# Altium PCB CGRA_Board_3.PcbDoc (part 1 of 7)
Units mil, origin at the board's own origin, x right, y up, seen from the top; angles counter-clockwise.
Board outline 10143 x 5538 mil, 10 copper layers (Top Layer, GND, Int2 (Sign), 1V8, Int4 (Sign), Int5 (Sign), 0V8_OUT, Int7 (Sign), GND (Plane4), Bottom Layer), stack 59.156 mil thick; 266 components, 396 nets, 2084 pads, 2900 vias.
Unrouted connection lines stored in the file: 464.
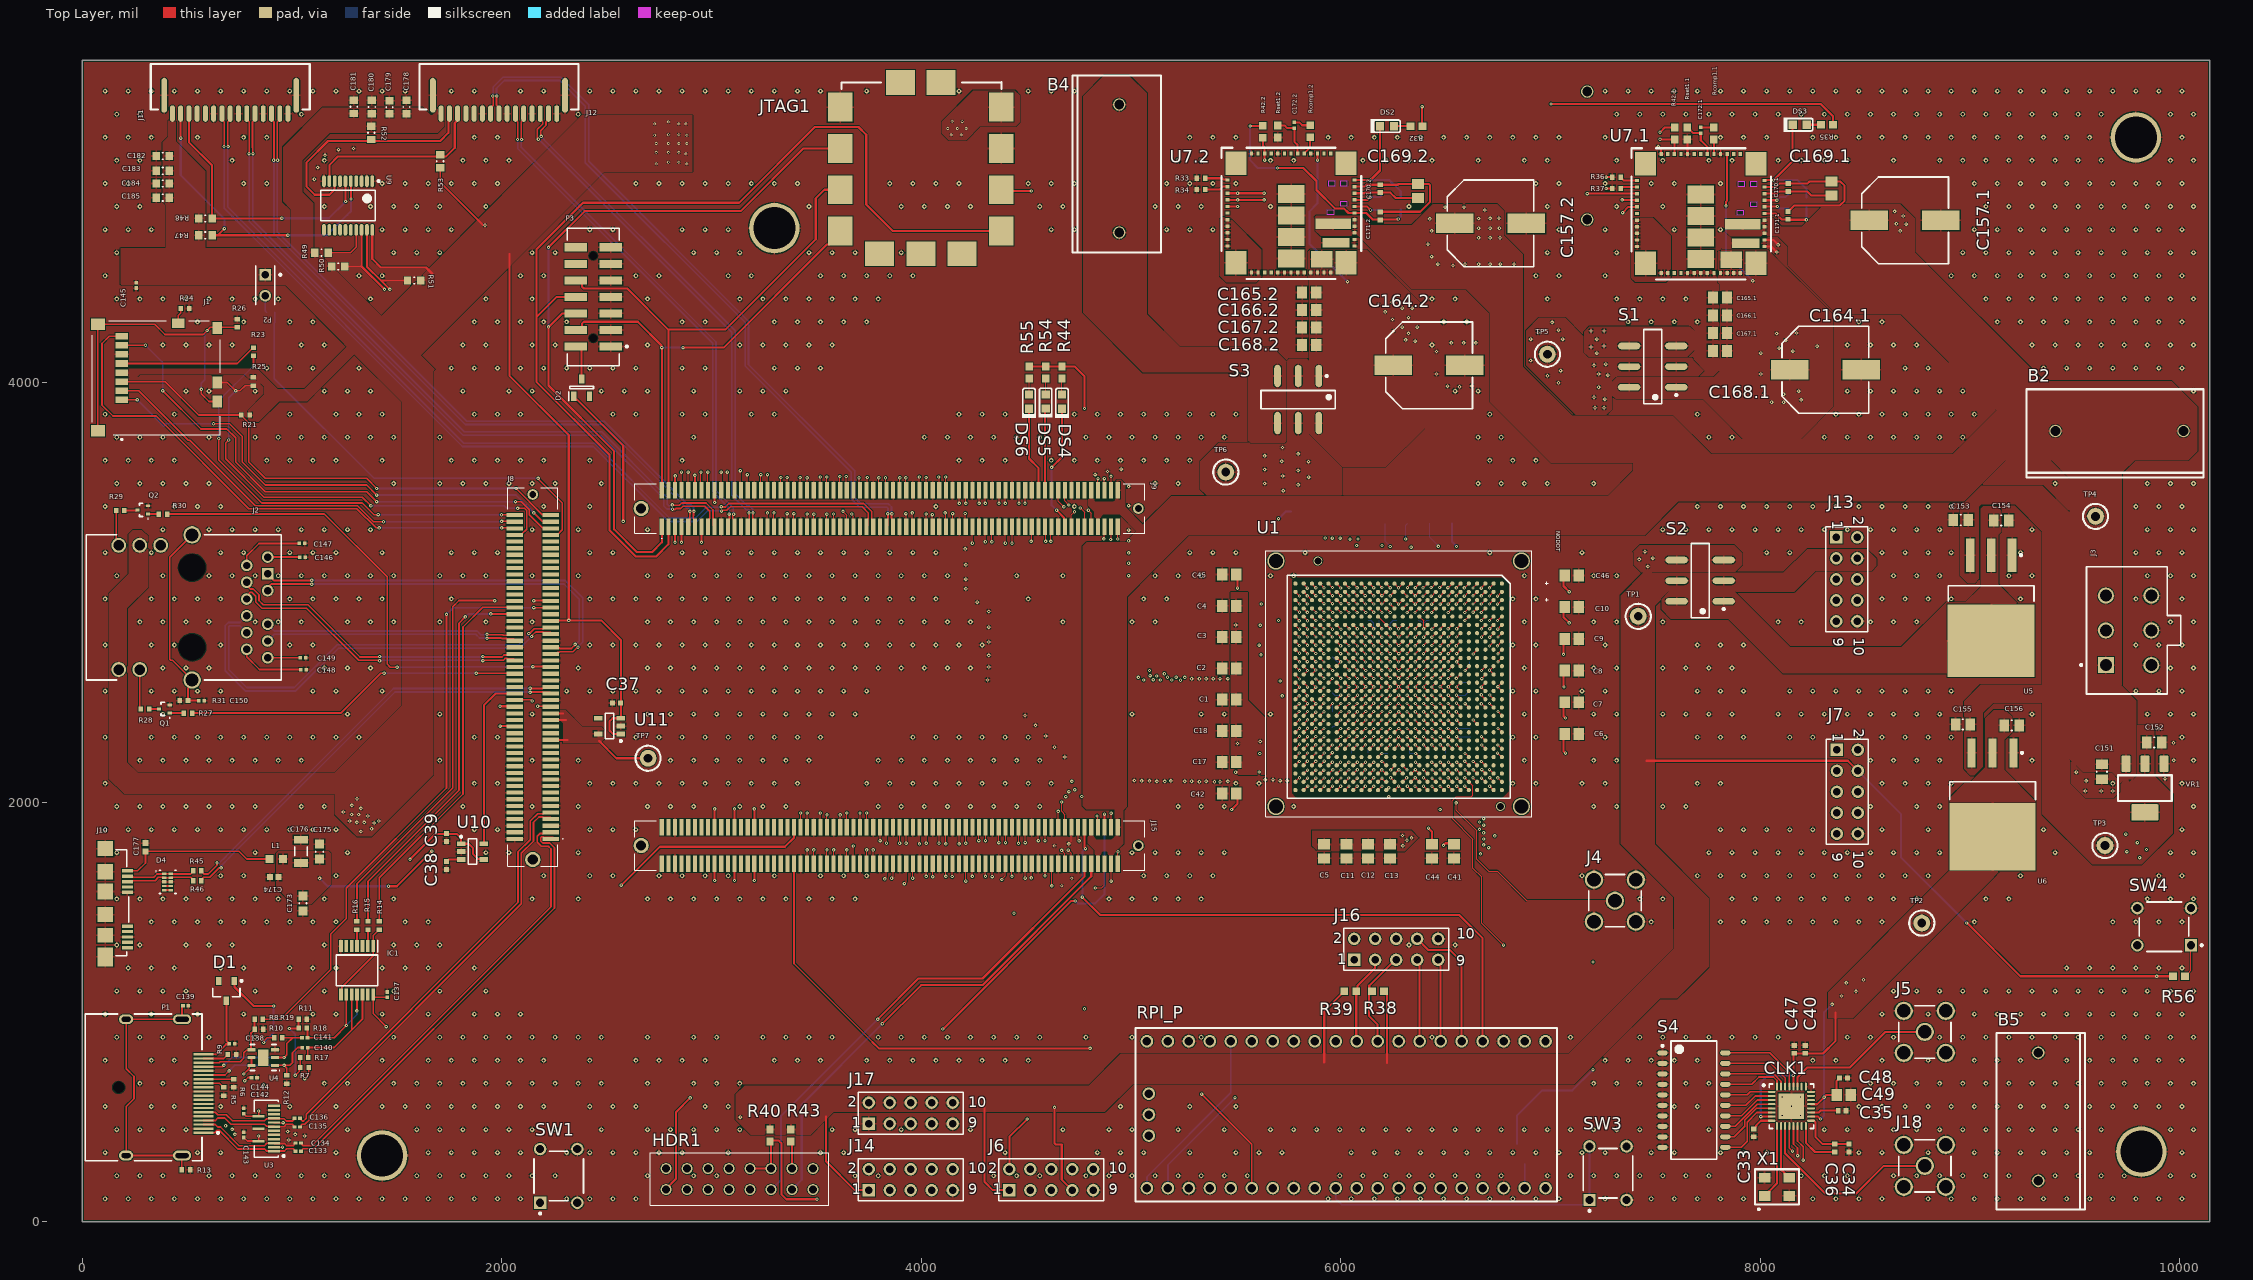
[diagram p0: Top Layer view]
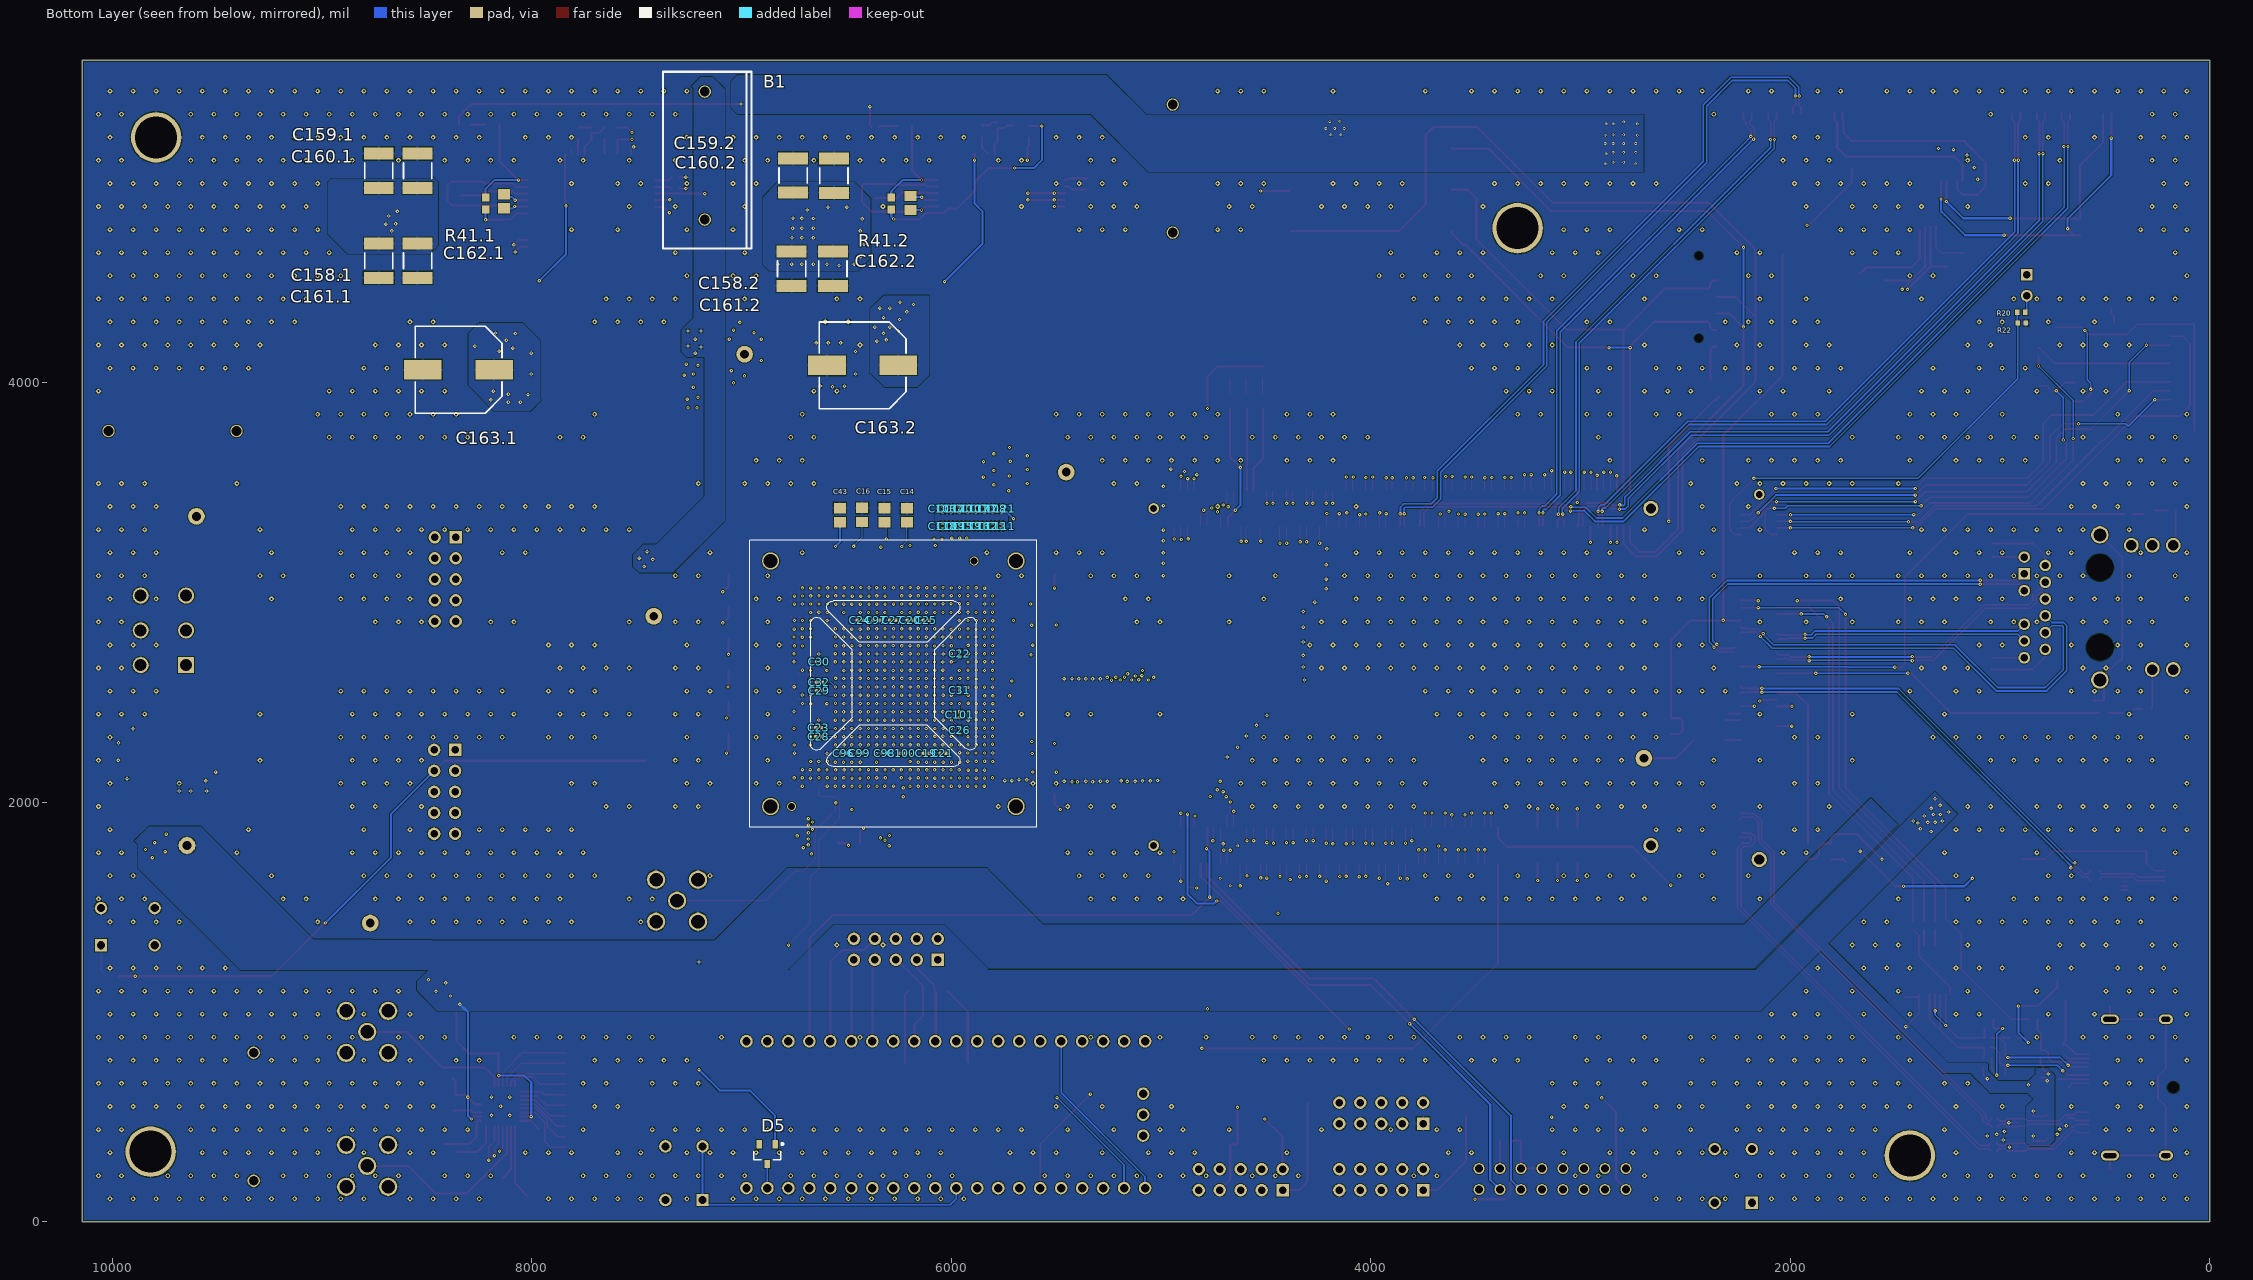
[diagram p1: Bottom Layer view, seen from below]
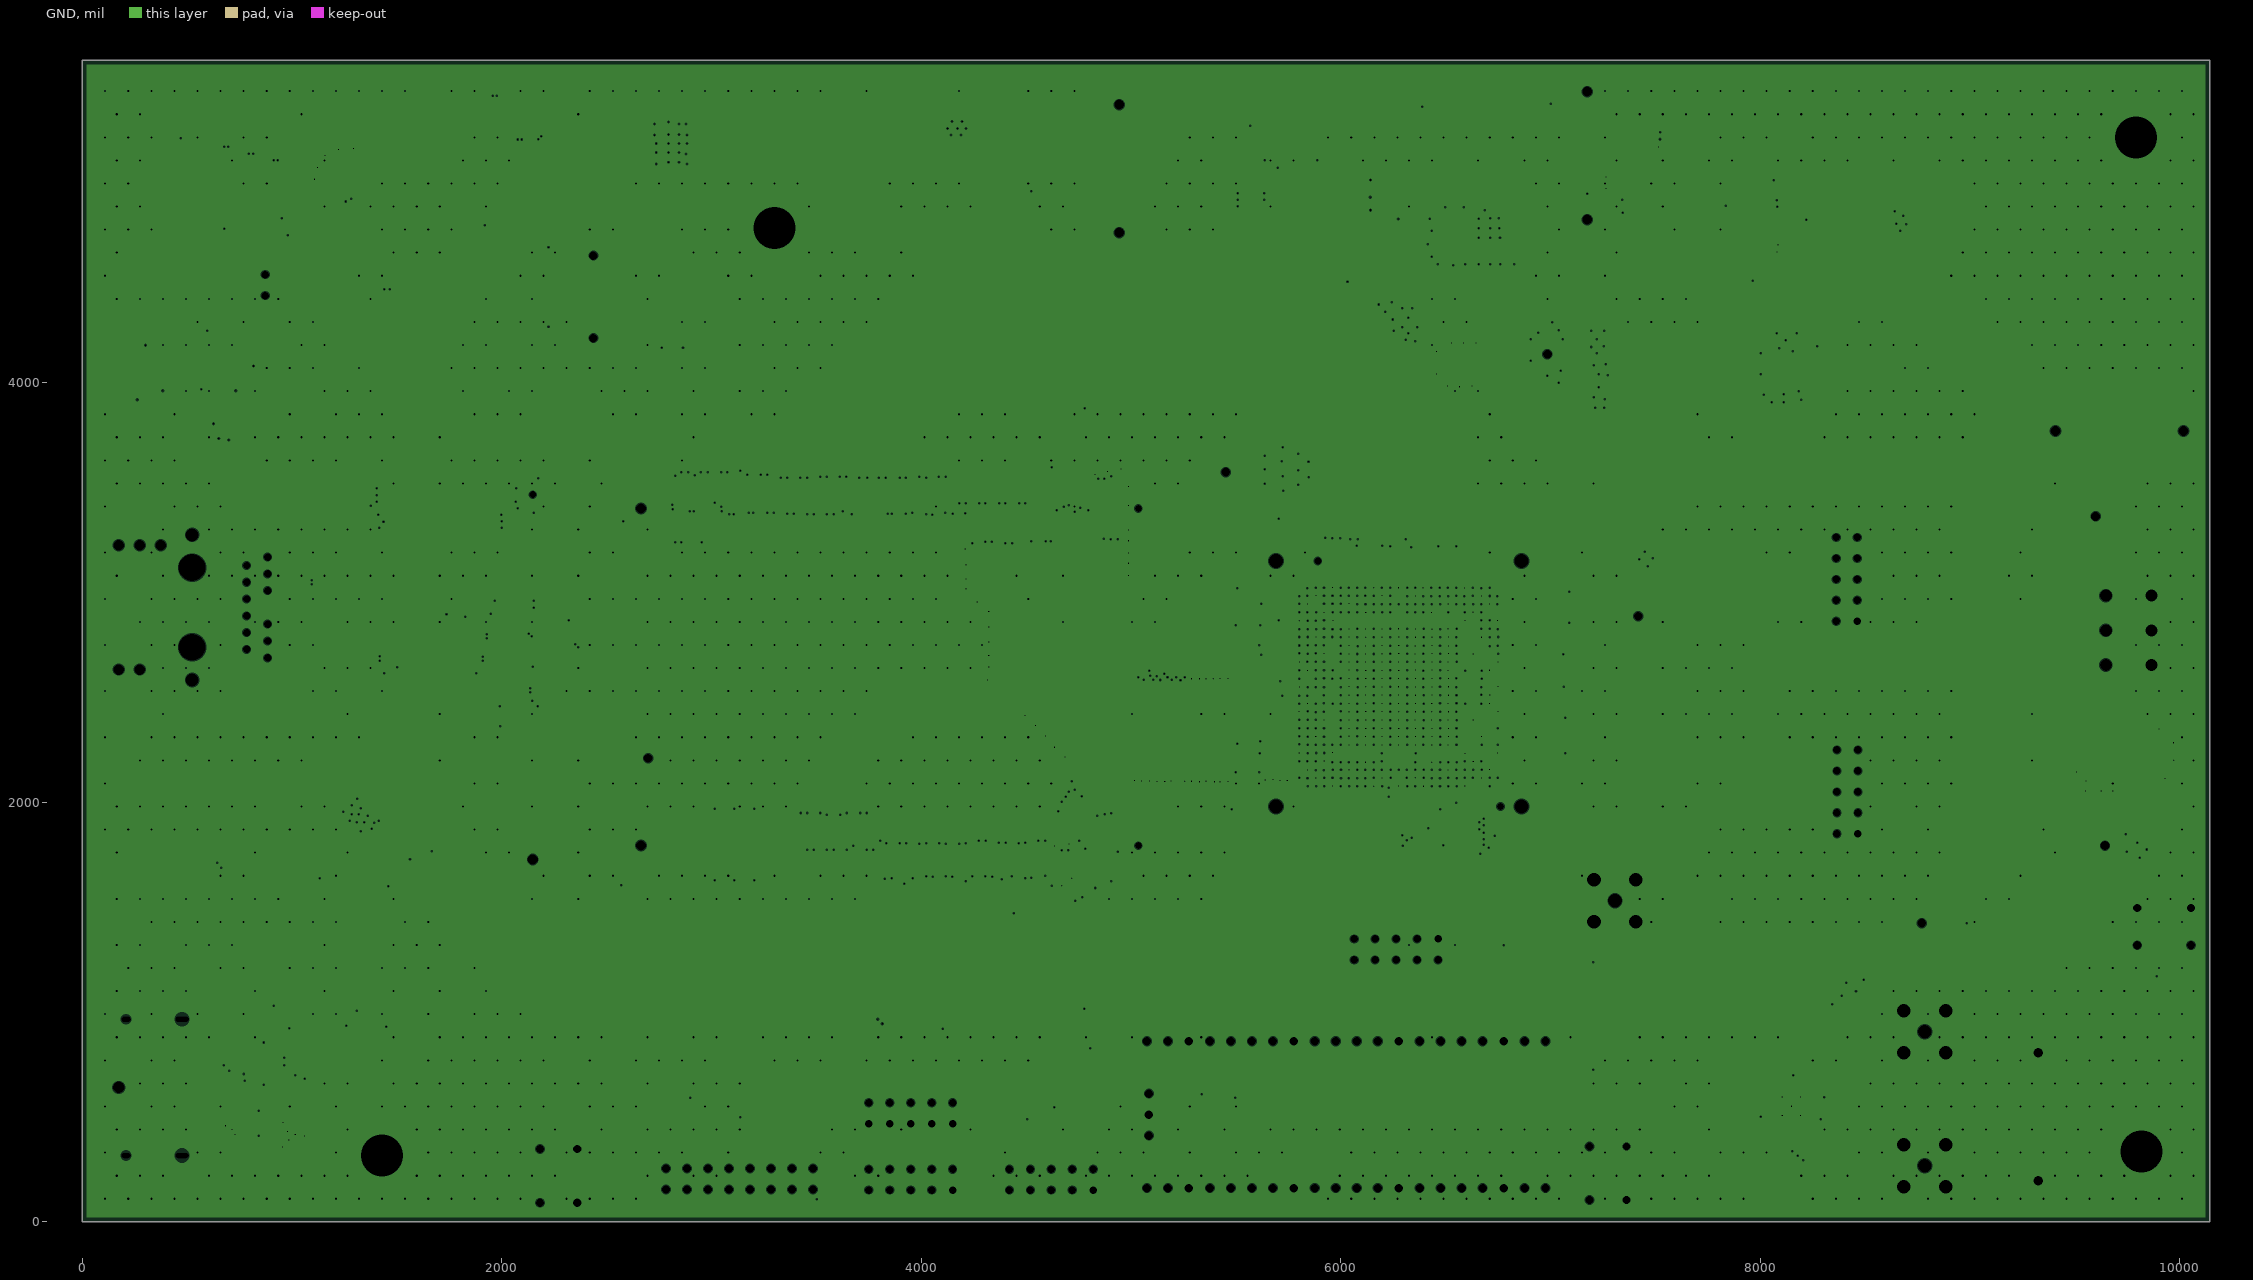
[diagram p2: GND, clearances drawn from the general rule]
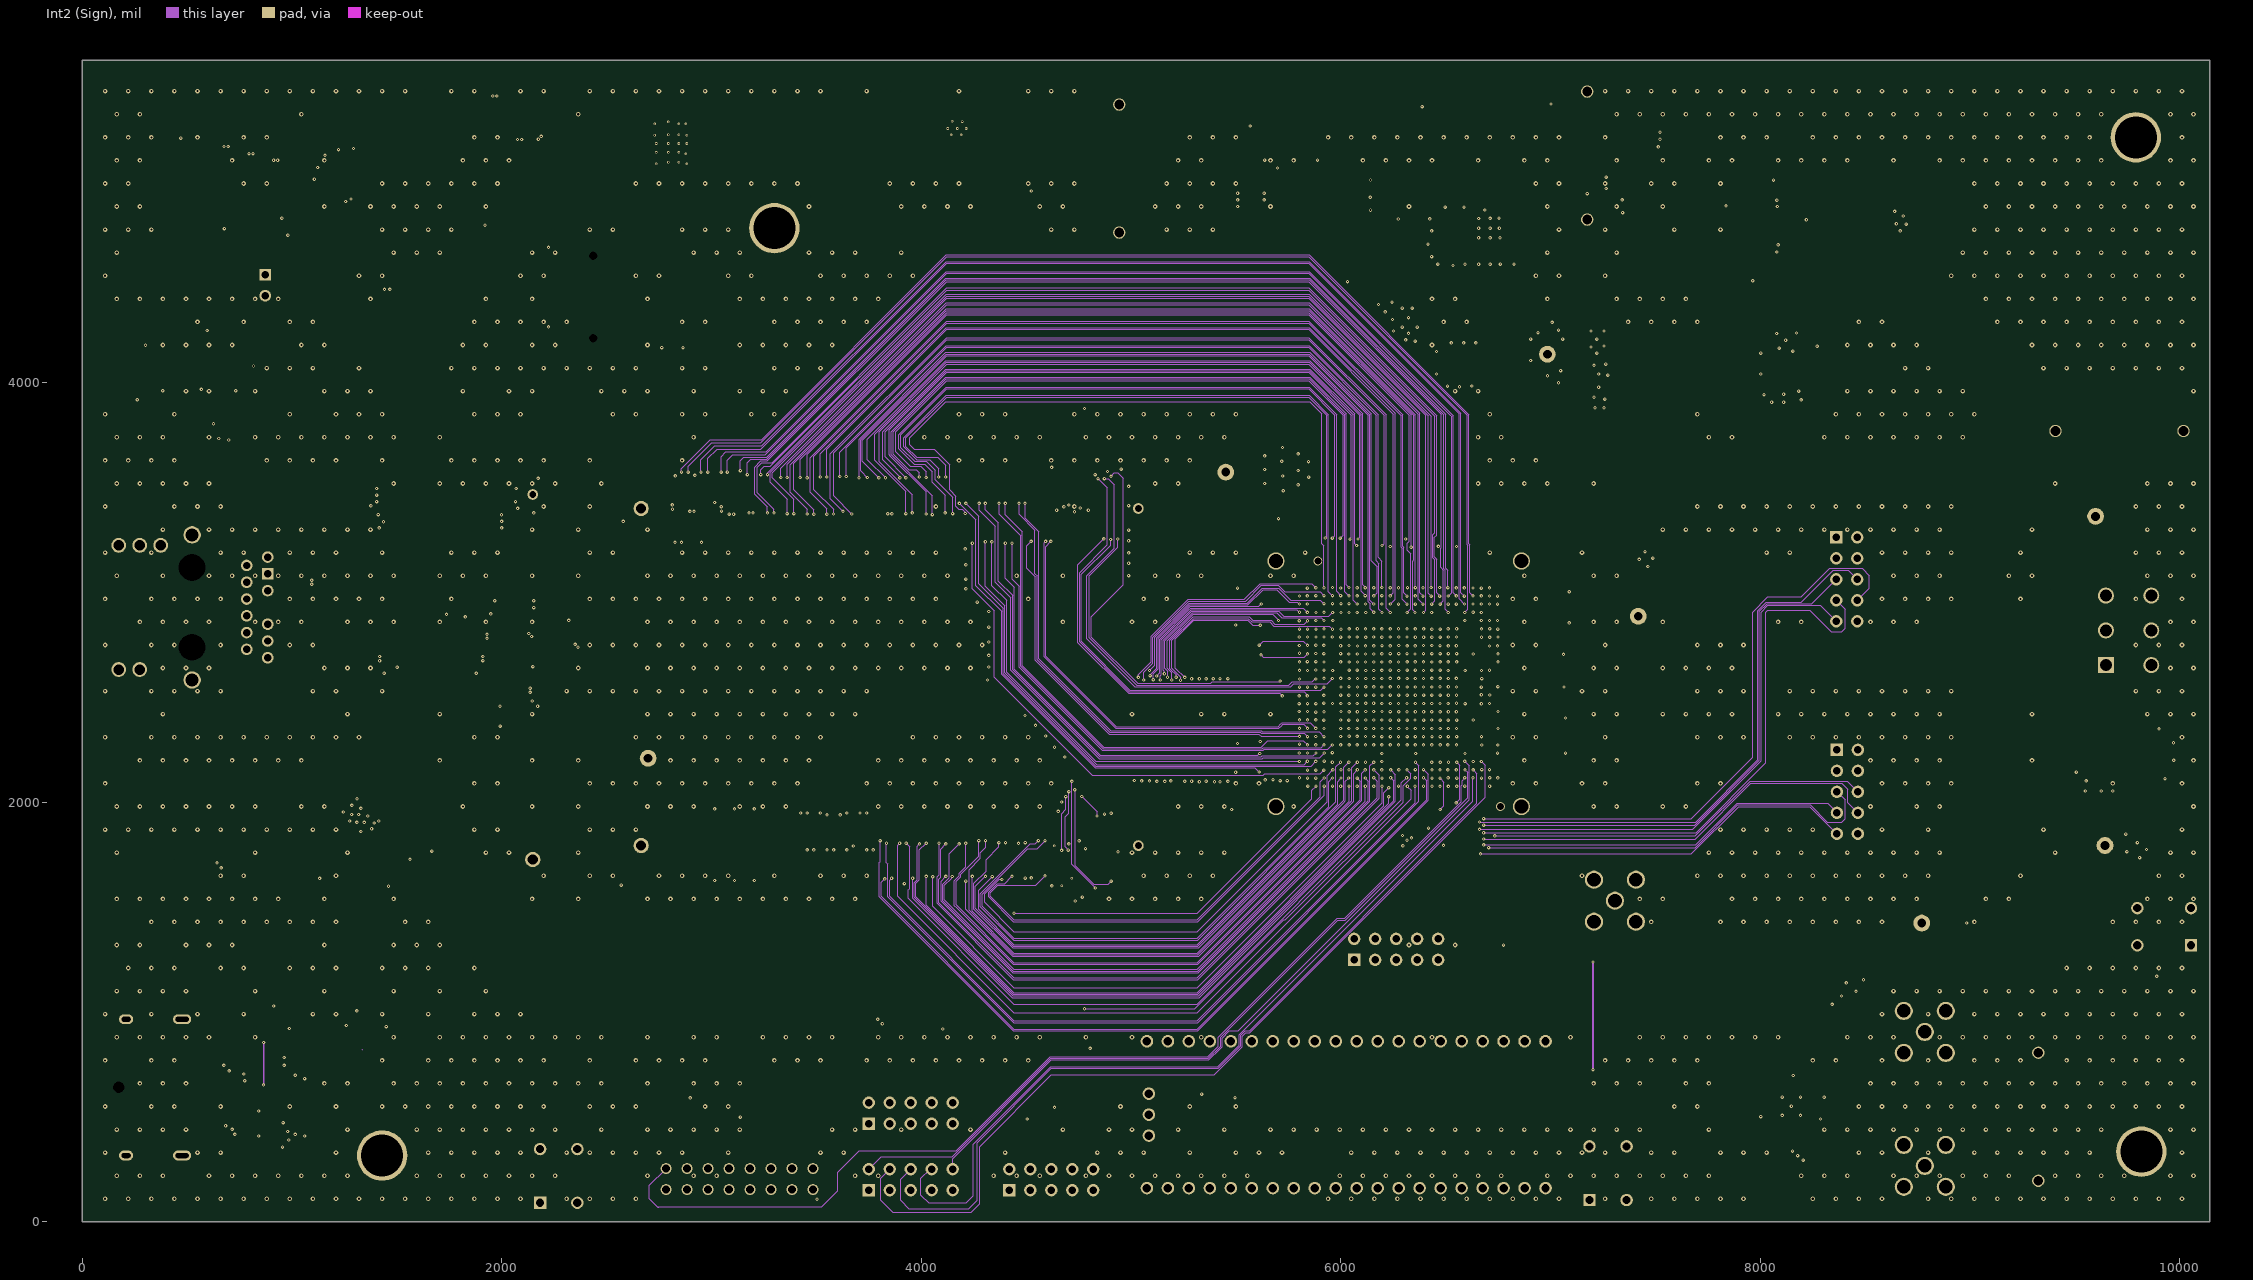
[diagram p3: Int2 (Sign)]
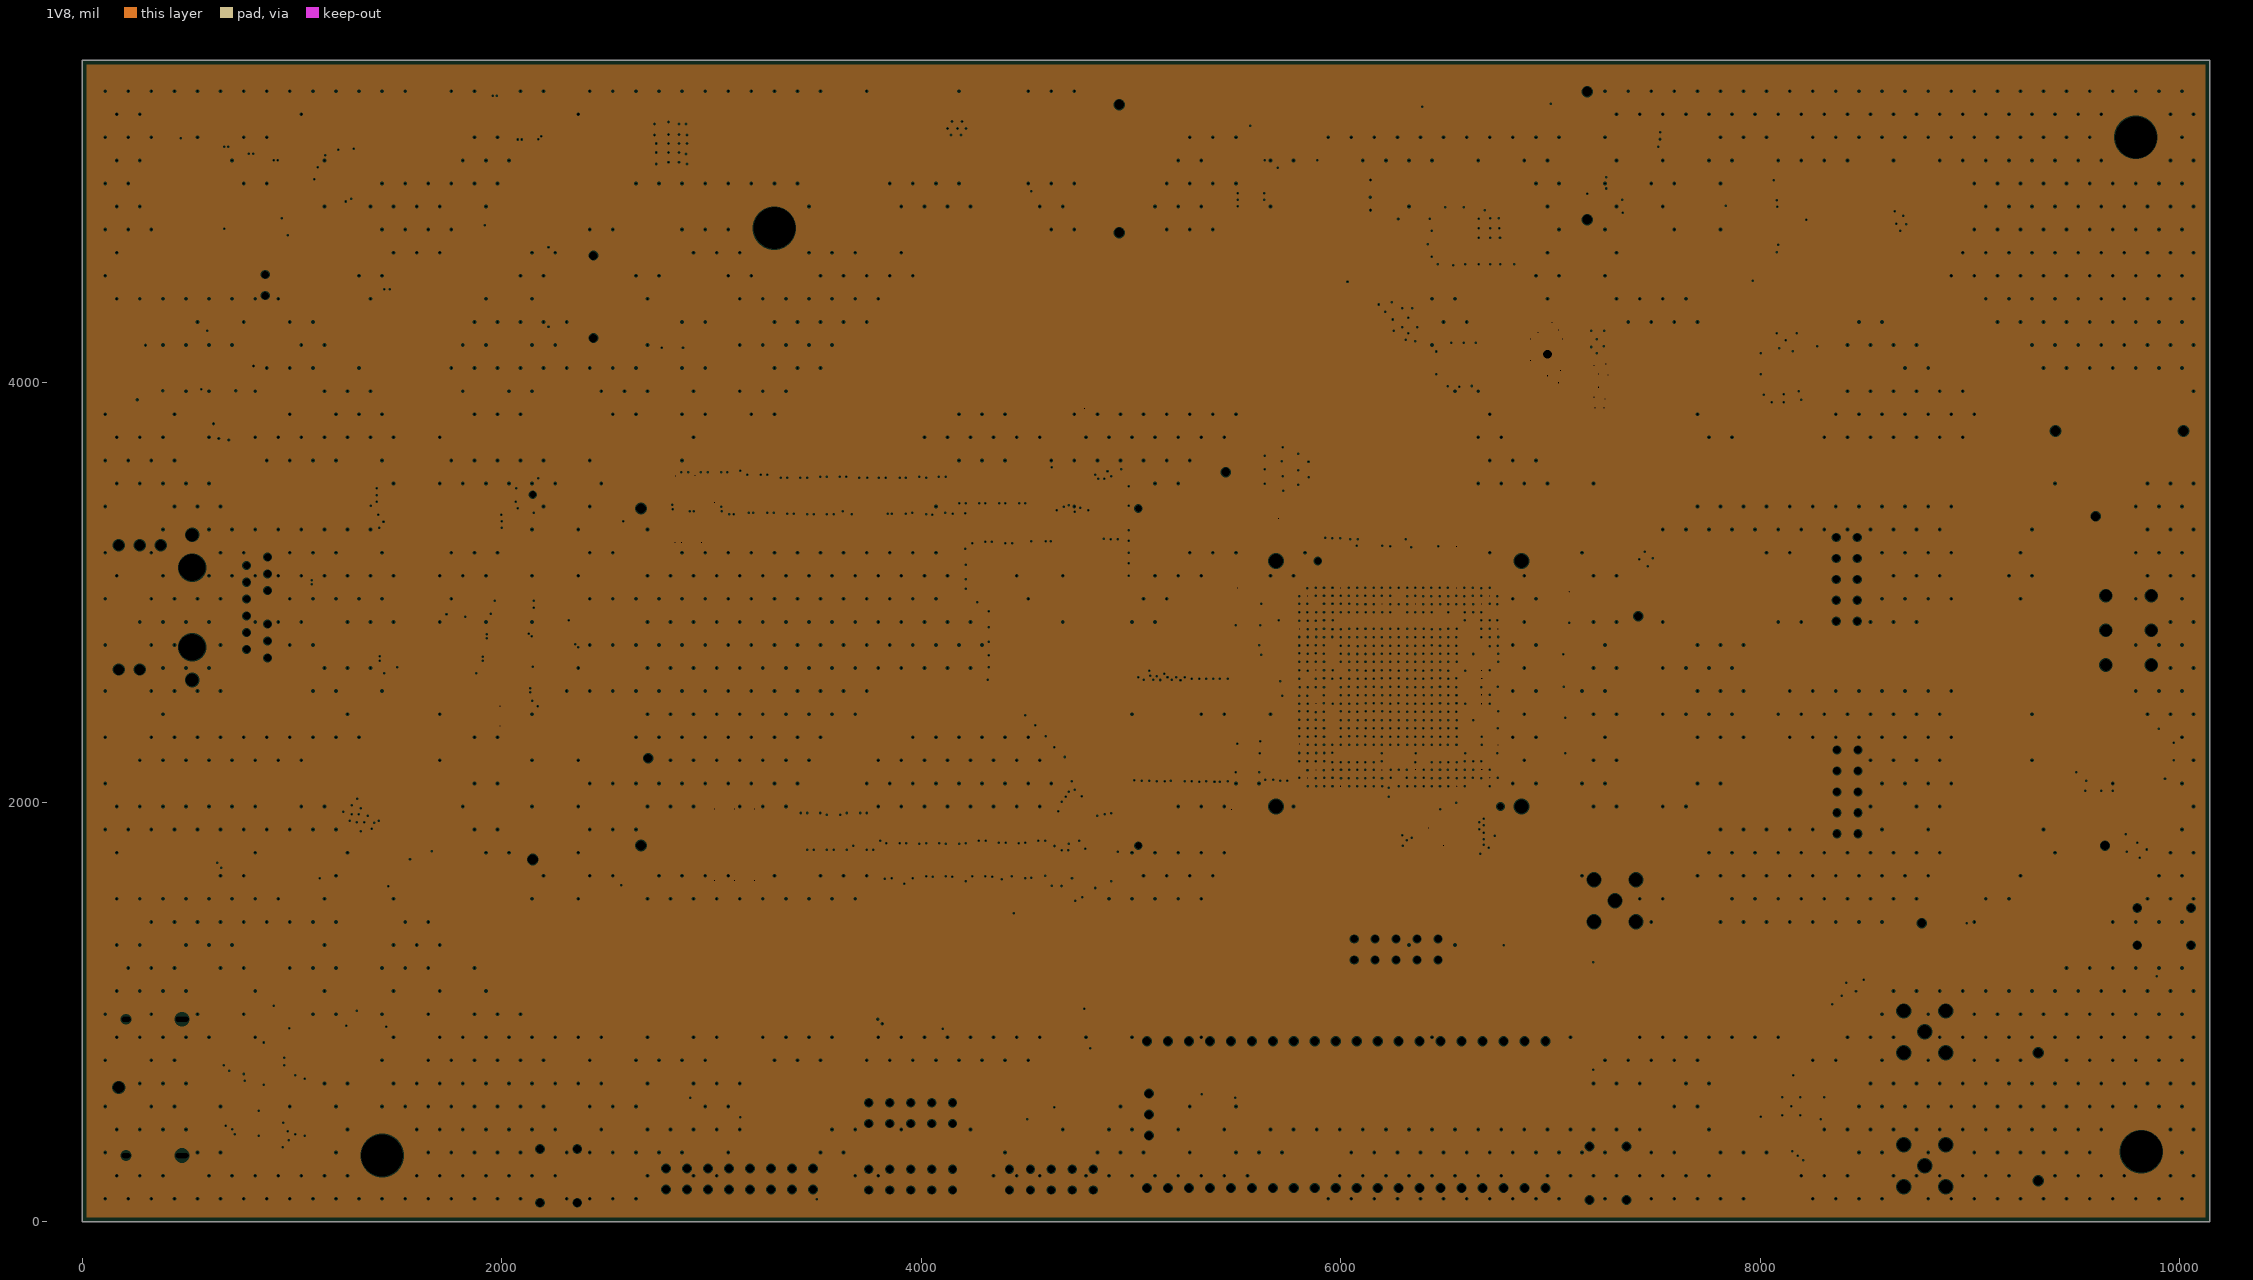
[diagram p4: 1V8, clearances drawn from the general rule]
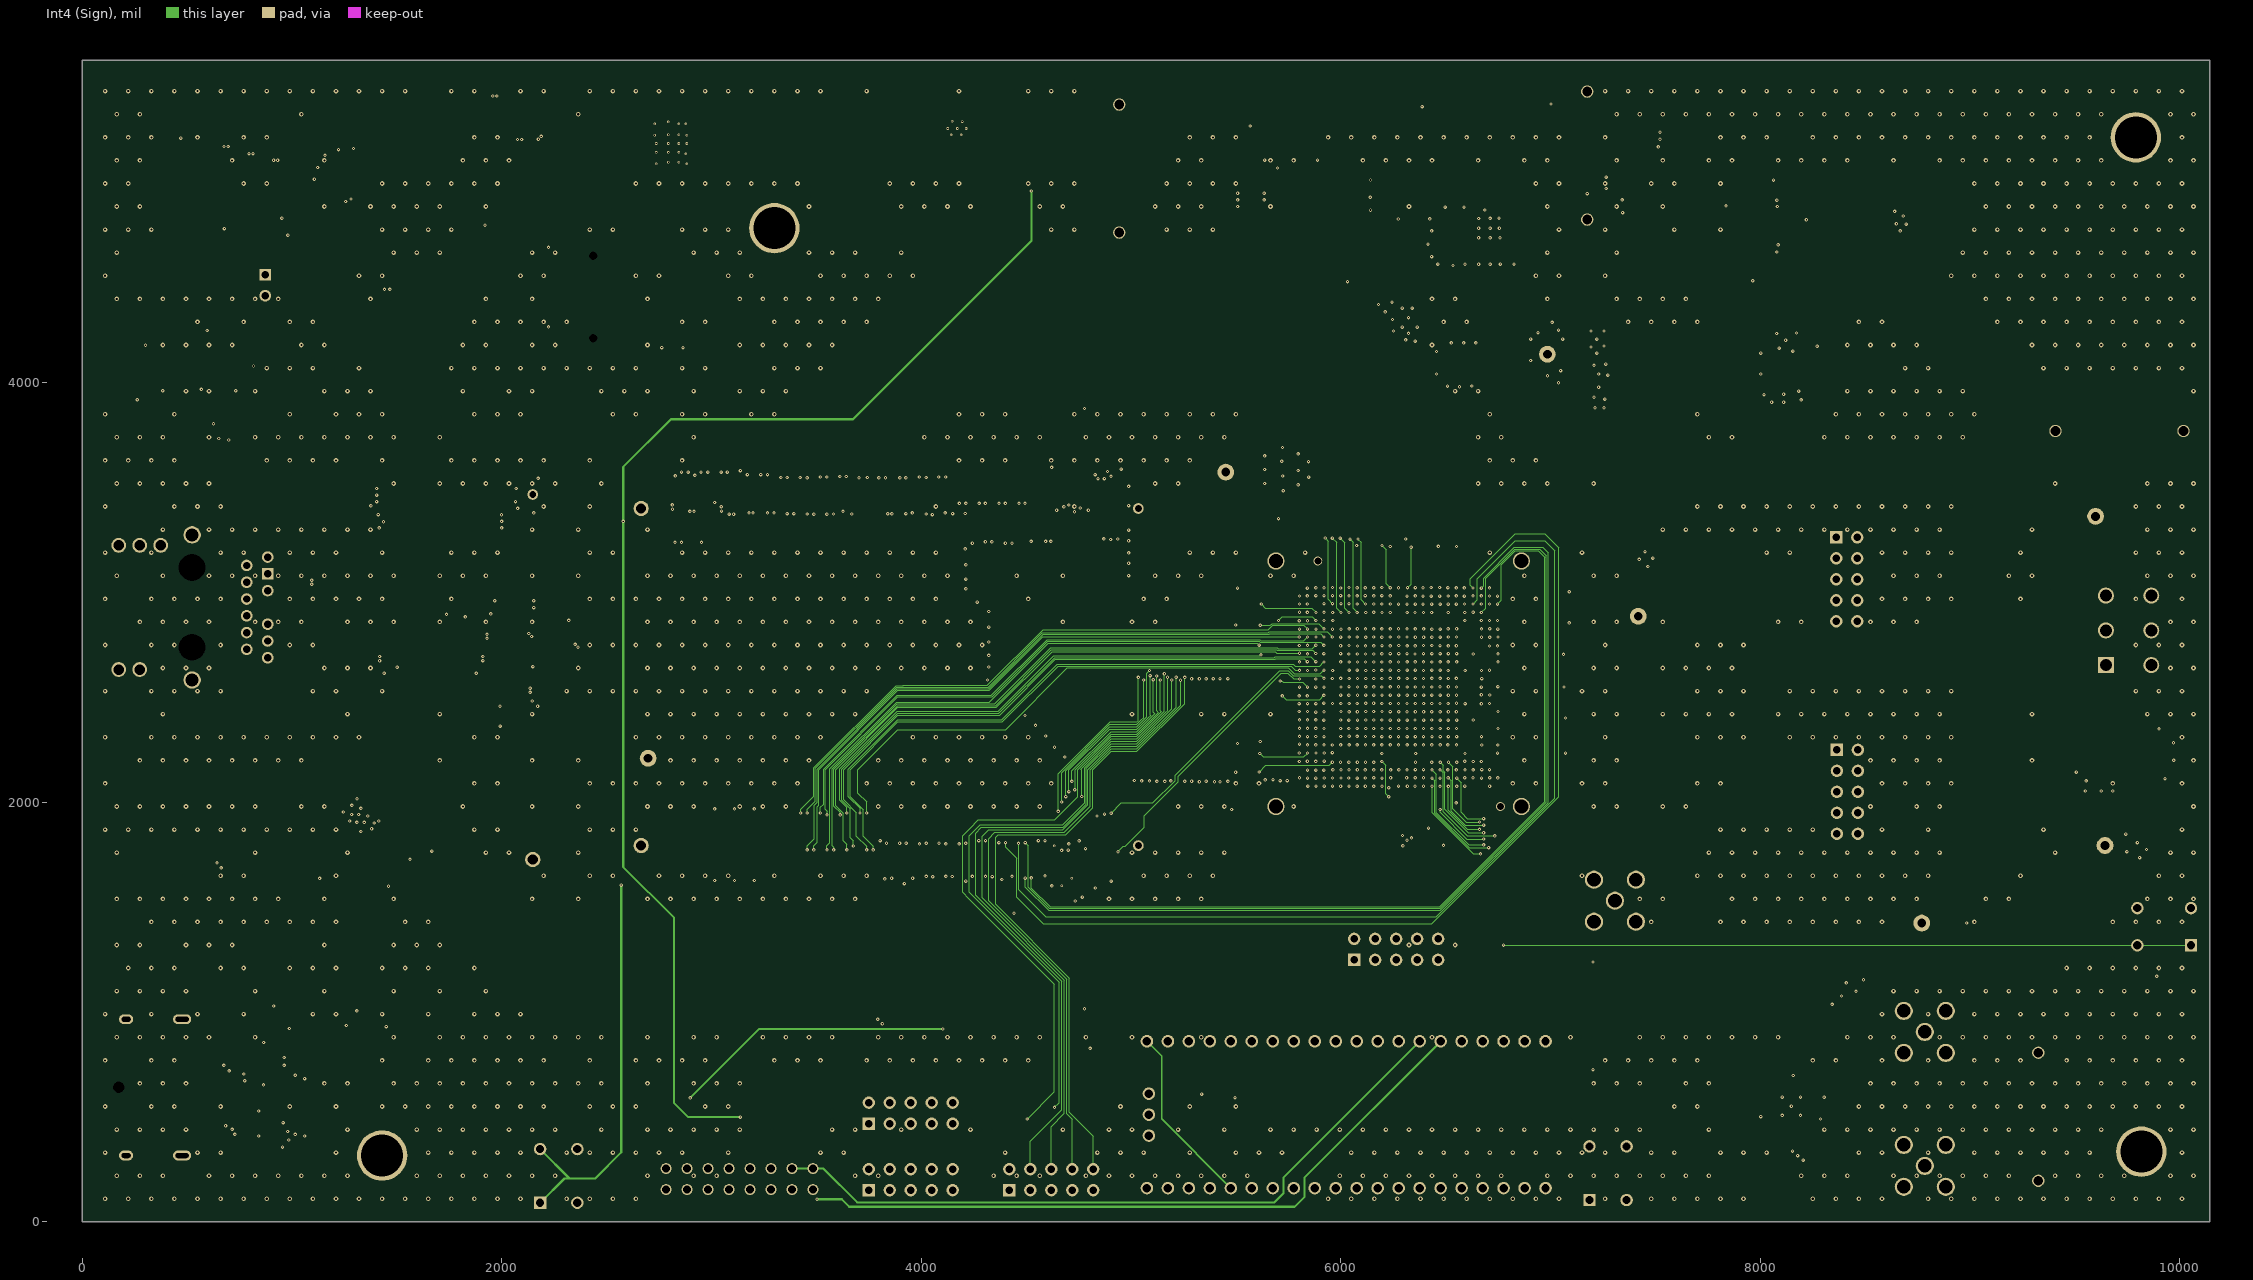
[diagram p5: Int4 (Sign)]